# Altium PCB RFMC.PcbDoc (part 4 of 5)
Units mm, origin at the board's own origin, x right, y up, seen from the top; angles counter-clockwise.
Board outline 79.47 x 143.38 mm, 8 copper layers (Top Layer, Layer 1, Layer 2, Layer 3, Layer 4, Layer 5, Layer 6, Bottom Layer), stack 1.644 mm thick; 295 components, 245 nets, 1444 pads, 1952 vias.
Unrouted connection lines stored in the file: 1.
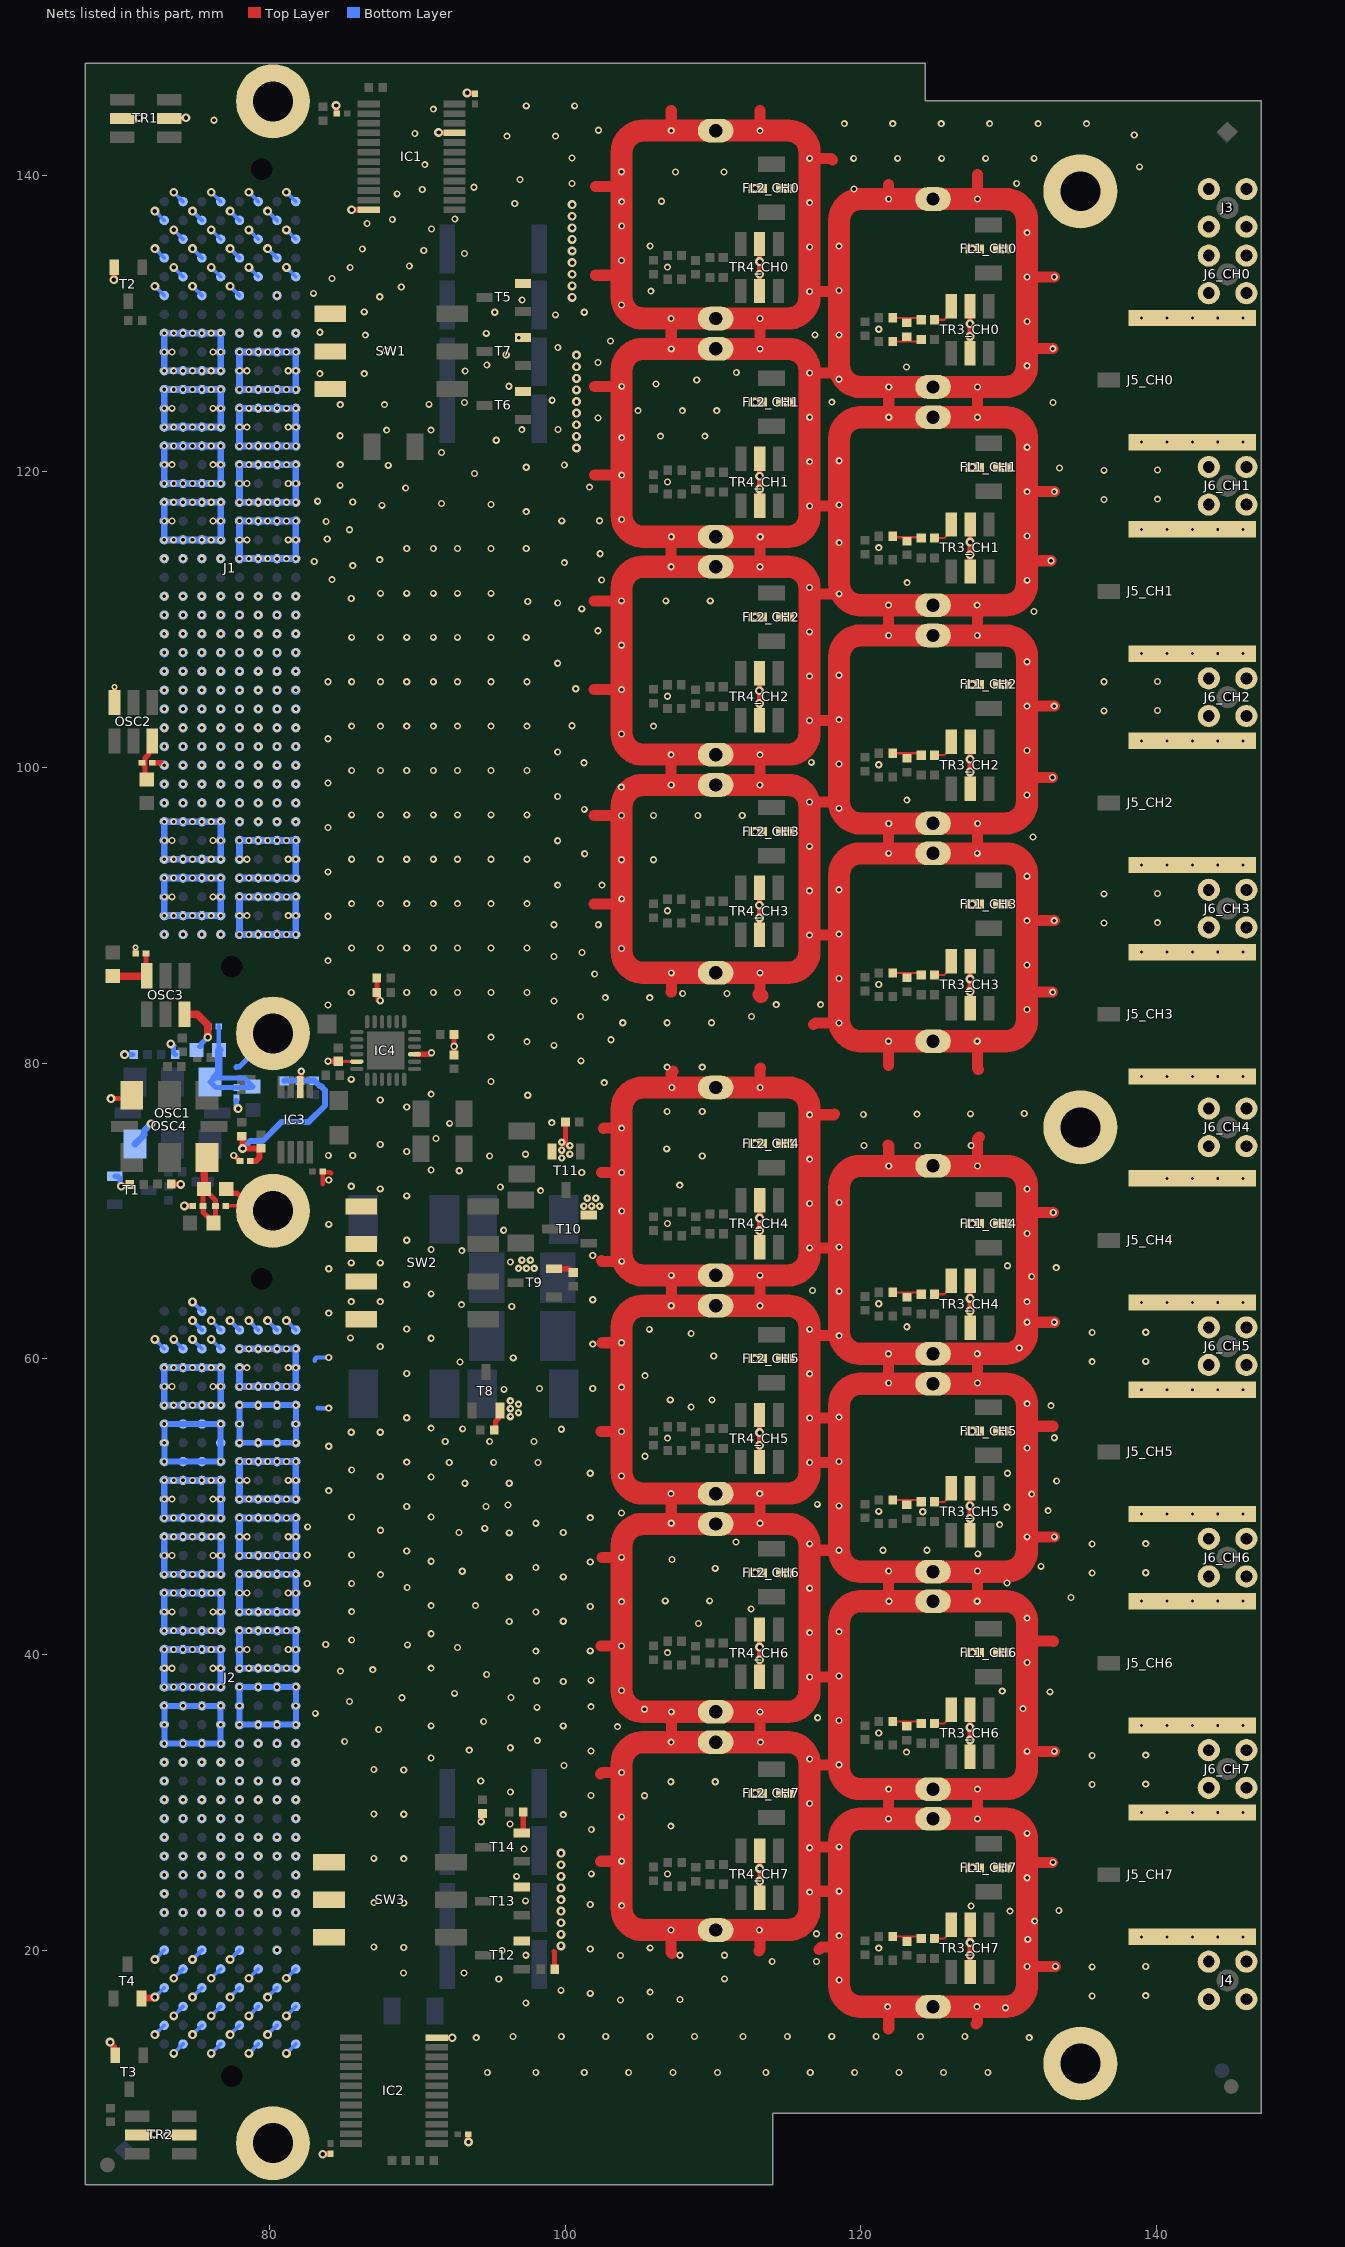
[diagram p10: the nets of this part, all layers, seen from the top]

## Via types
v1: diameter 0.48, hole 0.25, Top Layer to Bottom Layer, tented both sides, 1389 vias
v2: diameter 0.6, hole 0.3, Top Layer to Bottom Layer, tented both sides, 219 vias
v3: diameter 0.5, hole 0.2, Top Layer to Bottom Layer, tented both sides, 162 vias
v4: diameter 0.35, hole 0.15, Top Layer to Bottom Layer, tented both sides, 106 vias
v5: diameter 0.4, hole 0.2, Top Layer to Bottom Layer, tented both sides, 67 vias
v6: diameter 0.5, hole 0.25, Top Layer to Bottom Layer, tented both sides, 9 vias

## Nets (pads, with @x,y where several pads share a name; then routed paths per layer and width w, separated by ;. In a path a pad name is that pad's centre, name@x,y a point inside that pad or via, vN(x,y) a via of type N, cw(c..) or ccw(c..) an arc to the next point about the centre after c; other vN are vias at no path point) (continued)
GND: B1.1 B2.1 B3.1 B4.1 B14.1 B15.1 B16.1 C1.1 C2.1 C3.1 C4.1 C5.1 C6.1 C7.1 C8.1 C10.1 C13.1 C14.1 C15.1 C16.1 C17.1 C20.1 FL1_CH0.2 FL1_CH0.4 FL1_CH1.2 FL1_CH1.4 FL1_CH2.2 FL1_CH2.4 FL1_CH3.2 FL1_CH3.4 FL1_CH4.2 FL1_CH4.4 FL1_CH5.2 FL1_CH5.4 FL1_CH6.2 FL1_CH6.4 FL1_CH7.2 FL1_CH7.4 FL2_CH0.2 FL2_CH0.4 FL2_CH1.2 FL2_CH1.4 FL2_CH2.2 FL2_CH2.4 FL2_CH3.2 FL2_CH3.4 FL2_CH4.2 FL2_CH4.4 FL2_CH5.2 FL2_CH5.4 FL2_CH6.2 FL2_CH6.4 FL2_CH7.2 FL2_CH7.4 IC1.12 IC1.21 IC2.12 IC3.6 IC4.9 IC4.23 J1.a1 J1.a3 J1.a5 J1.a8 J1.a9 J1.a10 J1.a11 J1.a12 J1.a13 J1.a14 J1.a15 J1.a16 J1.a17 J1.a18 J1.a19 J1.a20 J1.a22 J1.a23 J1.a24 J1.a25 J1.a26 J1.a27 J1.a28 J1.a29 J1.a30 J1.a31 J1.a32 J1.a33 J1.a34 J1.a35 J1.a36 J1.a37 J1.a38 J1.a39 J1.a40 J1.b2 J1.b4 J1.b6 J1.b8 J1.b9 J1.b11 J1.b12 J1.b14 J1.b15 J1.b17 J1.b18 J1.b20 J1.b22 J1.b23 J1.b24 J1.b25 J1.b26 J1.b27 J1.b28 J1.b29 J1.b30 J1.b31 J1.b32 J1.b33 J1.b34 J1.b35 J1.b37 J1.b38 J1.b40 J1.c1 J1.c3 J1.c5 J1.c8 J1.c9 J1.c11 J1.c12 J1.c14 J1.c15 J1.c17 J1.c18 J1.c20 J1.c22 J1.c23 J1.c24 J1.c25 J1.c26 J1.c27 J1.c28 J1.c29 J1.c30 J1.c31 J1.c32 J1.c33 J1.c34 J1.c35 J1.c37 J1.c38 J1.c40 J1.d2 J1.d4 J1.d6 J1.d8 J1.d9 J1.d10 J1.d11 J1.d12 J1.d13 J1.d14 J1.d15 J1.d16 J1.d17 J1.d18 J1.d19 J1.d20 J1.d22 J1.d23 J1.d24 J1.d25 J1.d26 J1.d27 J1.d28 J1.d29 J1.d30 J1.d31 J1.d32 J1.d33 J1.d34 J1.d35 J1.d36 J1.d37 J1.d38 J1.d39 J1.d40 J1.e1 J1.e3 J1.e5 J1.e8 J1.e9 J1.e10 J1.e11 J1.e12 J1.e13 J1.e14 J1.e15 J1.e16 J1.e17 J1.e18 J1.e19 J1.e20 J1.e22 J1.e23 J1.e24 J1.e25 J1.e26 J1.e27 J1.e28 J1.e29 J1.e30 J1.e31 J1.e32 J1.e33 J1.e34 J1.e35 J1.e36 J1.e37 J1.e38 J1.e39 J1.e40 J1.f2 J1.f4 J1.f6 J1.f8 J1.f10 J1.f11 J1.f13 J1.f14 J1.f16 J1.f17 J1.f19 J1.f20 J1.f22 J1.f23 J1.f24 J1.f25 J1.f26 J1.f27 J1.f28 J1.f29 J1.f30 J1.f31 J1.f32 J1.f33 J1.f34 J1.f36 J1.f37 J1.f39 J1.f40 J1.g1 J1.g3 J1.g5 J1.g8 J1.g10 J1.g11 J1.g13 J1.g14 J1.g16 J1.g17 J1.g19 J1.g20 J1.g22 J1.g23 J1.g24 J1.g25 J1.g26 J1.g27 J1.g28 J1.g29 J1.g30 J1.g31 J1.g32 J1.g33 J1.g34 J1.g36 J1.g37 J1.g39 J1.g40 J1.h2 J1.h4 J1.h6 J1.h8 J1.h9 J1.h10 J1.h11 J1.h12 J1.h13 J1.h14 J1.h15 J1.h16 J1.h17 J1.h18 J1.h19 J1.h20 J1.h22 J1.h23 J1.h24 J1.h25 J1.h26 J1.h27 J1.h28 J1.h29 J1.h30 J1.h31 J1.h32 J1.h33 J1.h34 J1.h35 J1.h36 J1.h37 J1.h38 J1.h39 J1.h40 J2.a2 J2.a3 J2.a4 J2.a5 J2.a6 J2.a7 J2.a8 J2.a9 J2.a10 J2.a11 J2.a12 J2.a13 J2.a14 J2.a15 J2.a16 J2.a17 J2.a18 J2.a19 J2.a20 J2.a21 J2.a22 J2.a23 J2.a24 J2.a25 J2.a26 J2.a27 J2.a28 J2.a29 J2.a30 J2.a31 J2.a32 J2.a33 J2.a36 J2.a38 J2.a40 J2.b2 J2.b3 J2.b5 J2.b6 J2.b8 J2.b9 J2.b11 J2.b12 J2.b14 J2.b15 J2.b17 J2.b18 J2.b20 J2.b21 J2.b23 J2.b24 J2.b26 J2.b27 J2.b29 J2.b30 J2.b32 J2.b33 J2.b35 J2.b37 J2.b39 J2.c2 J2.c3 J2.c5 J2.c6 J2.c8 J2.c9 J2.c11 J2.c12 J2.c14 J2.c15 J2.c17 J2.c18 J2.c20 J2.c21 J2.c23 J2.c24 J2.c26 J2.c27 J2.c29 J2.c30 J2.c32 J2.c33 J2.c36 J2.c38 J2.c40 J2.d2 J2.d3 J2.d4 J2.d5 J2.d6 J2.d7 J2.d8 J2.d9 J2.d10 J2.d11 J2.d12 J2.d13 J2.d14 J2.d15 J2.d16 J2.d17 J2.d18 J2.d19 J2.d20 J2.d21 J2.d22 J2.d23 J2.d24 J2.d25 J2.d26 J2.d27 J2.d28 J2.d29 J2.d30 J2.d31 J2.d32 J2.d33 J2.d35 J2.d37 J2.d39 J2.e2 J2.e3 J2.e4 J2.e5 J2.e6 J2.e7 J2.e8 J2.e9 J2.e10 J2.e11 J2.e12 J2.e13 J2.e14 J2.e15 J2.e16 J2.e17 J2.e18 J2.e19 J2.e20 J2.e21 J2.e22 J2.e23 J2.e24 J2.e25 J2.e26 J2.e27 J2.e28 J2.e29 J2.e30 J2.e31 J2.e32 J2.e33 J2.e36 J2.e38 J2.e40 J2.f1 J2.f2 J2.f3 J2.f4 J2.f6 J2.f7 J2.f9 J2.f10 J2.f12 J2.f13 J2.f15 J2.f16 J2.f18 J2.f19 J2.f21 J2.f22 J2.f24 J2.f25 J2.f27 J2.f28 J2.f30 J2.f31 J2.f33 J2.f35 J2.f37 J2.f39 J2.g3 J2.g4 J2.g6 J2.g7 J2.g9 J2.g10 J2.g12 J2.g13 J2.g15 J2.g16 J2.g18 J2.g19 J2.g21 J2.g22 J2.g24 J2.g25 J2.g27 J2.g28 J2.g30 J2.g31 J2.g33 J2.g36 J2.g38 J2.g40 J2.h3 J2.h4 J2.h5 J2.h6 J2.h7 J2.h8 J2.h9 J2.h10 J2.h11 J2.h12 J2.h13 J2.h14 J2.h15 J2.h16 J2.h17 J2.h18 J2.h19 J2.h20 J2.h21 J2.h22 J2.h23 J2.h24 J2.h25 J2.h26 J2.h27 J2.h28 J2.h29 J2.h30 J2.h31 J2.h32 J2.h33 J2.h35 J2.h37 J2.h39 J3.2 J4.2 J5_CH0.2 J5_CH1.2 J5_CH2.2 J5_CH3.2 J5_CH4.2 J5_CH5.2 J5_CH6.2 J5_CH7.2 J6_CH0.2 J6_CH1.2 J6_CH2.2 J6_CH3.2 J6_CH4.2 J6_CH5.2 J6_CH6.2 J6_CH7.2 MSBOX1_CH0.1 MSBOX1_CH0.2 MSBOX1_CH1.1 MSBOX1_CH1.2 MSBOX1_CH2.1 MSBOX1_CH2.2 MSBOX1_CH3.1 MSBOX1_CH3.2 MSBOX1_CH4.1 MSBOX1_CH4.2 MSBOX1_CH5.1 MSBOX1_CH5.2 MSBOX1_CH6.1 MSBOX1_CH6.2 MSBOX1_CH7.1 MSBOX1_CH7.2 MSBOX2_CH0.1 MSBOX2_CH0.2 MSBOX2_CH1.1 MSBOX2_CH1.2 MSBOX2_CH2.1 MSBOX2_CH2.2 MSBOX2_CH3.1 MSBOX2_CH3.2 MSBOX2_CH4.1 MSBOX2_CH4.2 MSBOX2_CH5.1 MSBOX2_CH5.2 MSBOX2_CH6.1 MSBOX2_CH6.2 MSBOX2_CH7.1 MSBOX2_CH7.2 OSC1.3 OSC2.3 OSC3.3 OSC4.3 R5.1 R6.1 R14.1 R15.1 R36.2 R51.2 R52.2 R53.2 R54.2 R55.2 R56.2 R57.2 R58.2 R59.2 SW1.4 SW1.5 SW1.6 SW2.5 SW2.6 SW2.7 SW2.8 SW3.4 SW3.5 SW3.6 T1.2 T2.2 T3.2 T4.2 T5.2 T6.2 T7.2 T8.2 T9.2 T10.2 T11.2 T12.2 T13.2 T14.2 TR1.2 TR1.5 TR2.2 TR2.5 TR3_CH0.2 TR3_CH0.5 TR3_CH1.2 TR3_CH1.5 TR3_CH2.2 TR3_CH2.5 TR3_CH3.2 TR3_CH3.5 TR3_CH4.2 TR3_CH4.5 TR3_CH5.2 TR3_CH5.5 TR3_CH6.2 TR3_CH6.5 TR3_CH7.2 TR3_CH7.5 TR4_CH0.2 TR4_CH0.5 TR4_CH1.2 TR4_CH1.5 TR4_CH2.2 TR4_CH2.5 TR4_CH3.2 TR4_CH3.5 TR4_CH4.2 TR4_CH4.5 TR4_CH5.2 TR4_CH5.5 TR4_CH6.2 TR4_CH6.5 TR4_CH7.2 TR4_CH7.5 | length 677.2
  Top Layer w0.2: C8.1@84.675,80.125 84.7,80.1 IC4.23@85.925,80.1
  Top Layer w0.25: C15.1@77.075,70.35 B4.1@78.672,70.35
  Top Layer w0.254: v2(84.525,144.725) v2@84.55,144.7 ; C6.1@84.55,144.2 C6.1@84.575,144.175
  Top Layer w0.3: 83.625,71.825 C4.1@83.625,72.625 ; C4.1@83.625,72.675 83.675,72.625 84.129,72.625 84.186,72.568
  Top Layer w0.35: v2(69.31,77.603) 69.86,77.603 ; OSC2.3@69.55,105 v5(69.55,105.425) ; v2(70,71.675) 70.048,71.723 70.503,71.723 R14.1@70.58,71.8 ; TR1.5@70.675,143.875 v2@71.175,143.875 ; C13.1@70.975,87.4 v5(70.975,87.825) ; TR2.2@71.7,7.575 v2@72.2,7.575 ; C10.1@72.1,100.3 72.703,100.3 72.877,100.126 v1(72.912,100.126) ; v2@73.15,7.525 TR2.5@73.65,7.525 ; R15.1@73.395,71.825 73.407,71.813 74.013,71.813 v2(74.025,71.8) ; TR1.2@73.855,143.875 v2@74.355,143.875 ; v2(74.275,70.35) C20.1@74.825,70.35 ; C14.1@77.1,71.5 77.4,71.2 77.822,71.2 B4.1@78.672,70.35 ; v6(77.6,73.75) 77.629,73.721 77.679,73.721 77.975,73.425 77.975,73.4 78,73.375 C3.1@78.025,73.375 ; IC3.6@82.1,78.375 82.146,78.421 82.146,79.426 v6(82.175,79.455) ; v2@83.65,6.275 C17.1@84.15,6.275 ; v6(83.975,80.125) C8.1@84.675,80.125 ; C6.1@84.55,144.2 v2@84.55,144.7 ; v2(85.575,137.675) IC1.12@86.725,137.675 ; R52.2@87.28,85.75 87.28,85.77 87.285,85.765 87.285,84.755 87.346,84.694 87.346,84.254 v6@87.375,84.225 ; IC4.9@89.825,80.6 90.834,80.6 90.934,80.7 v6(90.975,80.7) ; v2@91.475,142.875 IC1.21@92.025,142.875 ; IC2.12@91.85,14.1 v2@92.35,14.1 ; R51.2@92.495,81.925 92.495,81.13 v6(92.5,81.125) R55.2@92.5,80.545 ; v2@93.4,145.55 C7.1@93.95,145.55 ; v2@93.45,7.1 C16.1@93.45,7.6 ; v6(94.325,28.725) 94.331,28.731 94.331,29.186 R58.2@94.425,29.28 ; R53.2@95.22,55.2 95.295,55.275 95.295,55.768 95.502,55.975 ; T14.2@97.075,27.95 97.17,28.045 R59.2@97.17,29.375 ; 99.25,19.95 99.295,19.905 R57.2@99.295,18.75 ; T9.2@99.25,66.1 100.275,66.1 100.53,65.845 R54.2@100.55,65.845 ; v3@99.975,74.525 100.03,74.58 R56.2@100.03,76.025 ; TR4_CH3.2@113.145,88.68 TR4_CH3.5@113.145,91.86 ; TR4_CH2.2@113.145,103.18 TR4_CH2.5@113.145,106.36 ; TR4_CH6.2@113.15,38.535 TR4_CH6.5@113.15,41.715 ; TR4_CH5.2@113.15,53.035 TR4_CH5.5@113.15,56.215 ; TR4_CH0.2@113.15,132.185 TR4_CH0.5@113.15,135.365 ; TR4_CH4.2@113.155,67.54 TR4_CH4.5@113.155,70.72 ; TR4_CH1.2@113.155,117.68 TR4_CH1.5@113.155,120.86 ; TR4_CH7.2@113.175,23.78 TR4_CH7.5@113.175,26.96 ; TR3_CH6.2@127.375,33.11 TR3_CH6.5@127.375,36.29 ; TR3_CH5.2@127.375,48.085 TR3_CH5.5@127.375,51.265 ; TR3_CH0.2@127.375,127.985 TR3_CH0.5@127.375,131.165 ; TR3_CH7.2@127.38,18.565 TR3_CH7.5@127.38,21.745 ; TR3_CH4.2@127.38,62.115 TR3_CH4.5@127.38,65.295 ; TR3_CH3.2@127.38,83.7 TR3_CH3.5@127.38,86.88 ; TR3_CH2.2@127.38,98.55 TR3_CH2.5@127.38,101.73 ; TR3_CH1.2@127.38,113.225 TR3_CH1.5@127.38,116.405 ; B4.1@78.672,70.35 79.93,70.35 80.263,70.017 79.004,70.017 B4.1@78.672,70.35
  Top Layer w0.4: B3.1@80.256,81.637 B3.1@80.256,82.001
  Top Layer w0.45: v2(69.25,13.825) 69.25,13.784 69.5,13.534 69.5,13.05 T3.2@69.6,12.95 ; T4.2@71.375,16.775 71.411,16.811 72.177,16.811 72.237,16.871 v2(72.277,16.871)
  Top Layer w0.5: v2(69.5,132.95) 69.513,132.963 69.513,133.787 T2.2@69.526,133.8 ; OSC3.3@74.27,83.3 75.15,83.3 75.85,82.6 v2(75.85,81.75)
  Top Layer w0.75: 101.975,90.74 103.815,90.74 ; 101.975,96.74 v1(103.815,96.74) ; 101.975,105.24 v1(103.815,105.24) ; 101.975,111.24 v1(103.815,111.24) ; 101.985,119.74 v1(103.825,119.74) ; 101.985,125.74 v1(103.825,125.74) ; 102.06,133.25 103.9,133.25 ; 102.06,139.25 103.9,139.25 ; 102.4,26.025 102.425,26.05 v1(103.825,26.05) ; 102.4,31.95 102.5,32.05 v1(103.825,32.05) ; 102.42,40.595 v1(103.82,40.595) ; 102.42,55.095 v1(103.82,55.095) ; 102.45,66.65 102.5,66.6 v1(103.825,66.6) ; 102.45,72.6 v1(103.825,72.6) ; 102.495,46.595 v1(103.82,46.595) ; 102.495,61.095 v1(103.82,61.095) ; 102.6,75.575 102.625,75.6 v1(103.825,75.6) ; v1(107.159,21.4) 107.159,19.891 107.225,19.825 ; 107.158,84.798 107.184,84.824 v1(107.184,86.1) ; v1(107.163,50.9) 107.175,50.888 v1(107.175,48.9) ; 107.17,99.045 v1@107.17,100.885 ; v1(107.17,113.545) v1@107.17,115.385 ; v1(107.174,34.1) 107.184,34.11 v1(107.184,36.15) ; v1(107.175,143.025) 107.175,144.39 ; v1(107.181,63.6) 107.183,63.602 v1(107.183,65.65) ; v1@107.18,128.045 107.18,129.885 ; v1(107.217,78.35) 107.18,78.387 107.18,79.33 107.3,79.45 ; MSBOX2_CH0.2@110.272,34.263 111.339,34.263 111.431,34.355 112.961,34.355 v1(113.216,34.1) ; 113.1,20 113.18,20.08 113.18,21.353 v1(113.133,21.4) ; v1(113.163,50.9) 113.175,50.888 v1(113.175,48.9) ; 113.17,99.045 v1@113.17,100.885 ; v1(113.17,113.545) v1@113.17,115.385 ; 113.172,84.628 v1(113.172,86.1) ; v1@113.175,34.141 v1(113.175,36.15) ; v1(113.174,65.65) 113.175,63.606 v1(113.181,63.6) ; v1(113.175,143.025) 113.175,144.39 ; v1@113.18,128.045 113.18,129.885 ; v1(113.184,78.35) 113.18,78.354 113.18,79.63 113.2,79.65 ; v1(116.525,88.65) 118.45,88.65 v1(118.515,88.715) ; v1(116.525,97.65) 118.08,97.65 v1(118.515,97.215) ; v1(116.525,103.15) 118.45,103.15 v1(118.515,103.215) ; v1(116.525,112.15) 116.96,111.715 v1(118.525,111.715) ; v1@116.525,134.95 116.53,134.955 v1(116.53,135.155) ; v1(116.53,38.505) 118.455,38.505 v1(118.52,38.57) ; v1(116.53,47.505) 116.965,47.07 v1(118.52,47.07) ; v1(116.53,53.005) 118.455,53.005 v1(118.52,53.07) ; v1(116.53,56.005) v1@118.455,56.005 ; v1(116.53,132.155) 118.455,132.155 v1(118.52,132.22) ; v1(116.53,141.155) 117.97,141.155 118.075,141.05 ; v1(116.535,26.96) 116.6,27.025 v1(118.525,27.025) ; v1(116.535,32.96) 116.925,32.57 v1(118.52,32.57) ; v1(116.535,67.51) 118.46,67.51 v1(118.525,67.575) ; v1(116.535,76.51) 118.16,76.51 118.2,76.55 ; v1(116.535,117.65) 118.46,117.65 v1(118.525,117.715) ; v1(116.535,126.65) 118.09,126.65 v1(118.52,126.22) ; v1@116.6,24.025 v1(118.525,24.025) ; 116.8,82.6 116.915,82.715 v1(118.515,82.715) ; 117.025,61.759 117.209,61.575 v1(118.525,61.575) ; 117.175,20.075 117.344,20.244 118.405,20.244 118.525,20.364 v1(118.525,21.025) ; v1(121.806,16.22) 121.88,16.146 121.88,14.755 121.85,14.725 ; 121.825,74.45 121.88,74.395 v1@121.88,72.88 ; 121.85,79.825 121.87,79.845 v1@121.87,81.32 ; v1@121.87,94.02 121.87,95.86 ; 121.87,108.52 121.87,110.36 ; 121.875,31.175 v1(121.875,30.925) 121.875,29.335 121.88,29.33 ; 121.875,43.875 v1@121.875,45.715 ; v1(121.875,58.375) v1@121.875,60.215 ; v1(121.875,138.4) 121.875,139.365 ; v1(121.88,123.65) v1(121.879,125.7) ; 127.775,15.05 127.88,15.155 127.88,16.189 v1(127.849,16.22) ; v1@127.87,81.32 127.87,79.63 127.925,79.575 ; v1@127.87,94.02 127.87,95.86 ; 127.87,108.52 127.87,110.36 ; 127.875,31.175 v1(127.875,30.925) 127.875,29.335 127.88,29.33 ; 127.875,43.875 v1@127.875,45.715 ; v1(127.875,58.375) v1@127.875,60.215 ; v1(127.875,138.4) 127.875,140.05 ; v1@127.88,72.88 127.88,74.855 128.025,75 ; v1(127.88,123.65) v1(127.878,125.7) ; v1(131.225,83.625) 131.225,84.353 131.664,84.792 v1(132.954,84.792) ; v1(131.225,89.625) v1(133.065,89.625) ; v1(131.225,98.125) 131.225,98.862 131.664,99.301 v1(132.945,99.301) ; v1(131.225,104.125) v1(133.065,104.125) ; v1(131.23,33.48) v1(133.07,33.48) ; v1(131.23,39.48) 131.23,40.493 131.669,40.932 132.993,40.932 133.025,40.9 ; v1(131.23,47.98) v1(133.07,47.98) ; v1(131.23,53.98) 131.23,54.993 131.687,55.45 132.975,55.45 ; v1(131.23,127.13) 131.23,127.848 131.669,128.287 v1(132.969,128.287) ; v1(131.23,133.13) v1(133.07,133.13) ; v1(131.235,18.935) 133.135,18.935 v1(133.15,18.95) ; v1(131.235,24.935) 131.235,25.536 131.674,25.975 v1@132.93,25.975 ; v1(131.235,62.485) v1(133.075,62.485) ; v1(131.235,68.485) 131.235,69.461 131.674,69.9 v1(133,69.9) ; v1(131.235,112.625) 131.235,113.511 131.674,113.95 v1(132.845,113.95) ; v1(131.235,118.625) v1(133.075,118.625)
  Top Layer w1: 113.172,84.628 113.25,84.55
  Top Layer w1.5: 105.275,21.4 v1(107.159,21.4) ; 105.275,34.1 v1(107.174,34.1) ; v1@105.275,36.15 v1(107.184,36.15) ; 105.275,50.9 v1(107.163,50.9) ; 105.275,63.6 v1(107.181,63.6) ; 105.275,65.65 v1(107.183,65.65) ; v1(113.175,36.15) 115.075,36.15 ; v1(113.181,63.6) 115.075,63.6 ; v1(113.184,78.35) 115.075,78.35 ; v1(113.216,34.1) 115.075,34.1 ; 119.975,16.22 v1(121.806,16.22)
  Bottom Layer w0.254: v2(72.277,14.331) J2.h39@72.912,14.966 ; v2(72.277,16.871) J2.h37@72.912,17.506 ; v2(72.277,19.411) J2.h35@72.912,20.046 ; v2(72.277,61.321) J2.h3@72.912,60.686 ; v2(72.277,132.511) J1.h6@72.912,131.876 ; v2(72.277,135.051) J1.h4@72.912,134.416 ; v2(72.277,137.591) J1.h2@72.912,136.956 ; v2(73.547,13.061) J2.g40@74.182,13.696 ; v2(73.547,15.601) J2.g38@74.182,16.236 ; v2(73.547,18.141) J2.g36@74.182,18.776 ; v2(73.547,61.321) J2.g3@74.182,60.686 ; v2(73.547,133.781) J1.g5@74.182,133.146 ; v2(73.547,136.321) J1.g3@74.182,135.686 ; v2(73.547,138.861) J1.g1@74.182,138.226 ; v2(74.817,14.331) J2.f39@75.452,14.966 ; v2(74.817,16.871) J2.f37@75.452,17.506 ; v2(74.817,19.411) J2.f35@75.452,20.046 ; v2(74.817,61.321) J2.f3@75.452,60.686 ; v2(74.817,62.591) J2.f2@75.452,61.956 ; v2(74.817,63.861) J2.f1@75.452,63.226 ; v2(74.817,132.511) J1.f6@75.452,131.876 ; v2(74.817,135.051) J1.f4@75.452,134.416 ; v2(74.817,137.591) J1.f2@75.452,136.956 ; v2(76.087,13.061) J2.e40@76.722,13.696 ; v2(76.087,15.601) J2.e38@76.722,16.236 ; v2(76.087,18.141) J2.e36@76.722,18.776 ; v2(76.087,61.321) J2.e3@76.722,60.686 ; v2(76.087,62.591) J2.e2@76.722,61.956 ; v2(76.087,133.781) J1.e5@76.722,133.146 ; v2(76.087,136.321) J1.e3@76.722,135.686 ; v2(76.087,138.861) J1.e1@76.722,138.226 ; v2(77.357,14.331) J2.d39@77.992,14.966 ; v2(77.357,16.871) J2.d37@77.992,17.506 ; v2(77.357,19.411) J2.d35@77.992,20.046 ; v2(77.357,62.591) J2.d2@77.992,61.956 ; v2(77.357,132.511) J1.d6@77.992,131.876 ; v2(77.357,135.051) J1.d4@77.992,134.416 ; v2(77.357,137.591) J1.d2@77.992,136.956 ; v2(78.627,13.061) J2.c40@79.262,13.696 ; v2(78.627,15.601) J2.c38@79.262,16.236 ; v2(78.627,18.141) J2.c36@79.262,18.776 ; v2(78.627,62.591) J2.c2@79.262,61.956 ; v2(78.627,133.781) J1.c5@79.262,133.146 ; v2(78.627,136.321) J1.c3@79.262,135.686 ; v2(78.627,138.861) J1.c1@79.262,138.226 ; v2(79.897,14.331) J2.b39@80.532,14.966 ; v2(79.897,16.871) J2.b37@80.532,17.506 ; v2(79.897,62.591) J2.b2@80.532,61.956 ; v2(79.897,135.051) J1.b4@80.532,134.416 ; v2(79.897,137.591) J1.b2@80.532,136.956 ; v2(81.167,13.061) J2.a40@81.802,13.696 ; v2(81.167,15.601) J2.a38@81.802,16.236 ; v2(81.167,18.141) J2.a36@81.802,18.776 ; v2(81.167,62.591) J2.a2@81.802,61.956 ; v2(81.167,133.781) J1.a5@81.802,133.146 ; v2(81.167,136.321) J1.a3@81.802,135.686 ; v2(81.167,138.861) J1.a1@81.802,138.226
  Bottom Layer w0.3: 83.075,59.875 cw(c83.3,59.875) 83.3,60.1 v1(84.025,60.1) ; 83.275,56.7 ccw(c83.3,56.7) 83.3,56.675 v1(84.025,56.675)
  Bottom Layer w0.35: T1.2@69.575,72.35 69.775,72.35 69.925,72.2 69.925,71.818 70,71.743 v2(70,71.675) ; v2(70.225,80.575) R5.1@70.775,80.575 ; v2@73.547,81.171 73.418,81.3 v2(73.35,81.3) 73.35,81.232 73.535,81.047 73.535,80.701 R6.1@73.65,80.586 ; C1.1@75.3,81.125 75.35,81.125 75.4,81.175 75.4,81.3 v2(75.85,81.75) ; C2.1@77.775,77.475 77.775,77.118 77.9,76.993 v2(77.9,76.925) ; 77.775,79.7 77.775,79.725 77.8,79.75 78.004,79.75 B3.1@80.256,82.001
  Bottom Layer w0.4: v1(72.912,34.016) v1(74.182,34.016) v1(75.452,34.016) v1(76.722,34.016) v1(76.722,35.286) v1(76.722,36.556) v1(75.452,36.556) v1(74.182,36.556) v1(72.912,36.556) J2.h24@72.912,34.143 ; v1(77.992,35.286) v1(79.262,35.286) v1(80.532,35.286) v1(81.802,35.286) v1(81.802,36.556) v1(81.802,37.826) v1(80.532,37.826) v1(79.262,37.826) v1(77.992,37.826) J2.d23@77.992,35.413 ; v1(77.992,54.336) v1(79.262,54.336) v1(80.532,54.336) v1(81.802,54.336) v1(81.802,55.606) v1(81.802,56.876) v1(80.532,56.876) v1(79.262,56.876) v1(77.992,56.876) J2.d8@77.992,54.463 ; J1.a27@81.802,105.079 v1(81.802,105.206) ; v1(72.912,53.066) 72.912,53.193 v1(72.912,55.606) J2.g7@74.182,55.606 J2.f7@75.452,55.606 v1(76.722,55.606) J2.e8@76.722,54.336 v1(76.722,53.066) J2.f9@75.452,53.066 J2.g9@74.182,53.066 v1(72.912,53.066)
  Bottom Layer w0.45: OSC1.3@70.935,74.525 71.56,75.15 71.56,75.435 v2(72.025,75.9)
  Bottom Layer w0.46: v1(77.992,59.416) v1(77.992,58.146) v1(78.627,58.146) v1(79.262,58.146) v1(79.897,58.146) v1(80.532,58.146) v1(81.167,58.146) v1(81.802,58.146) v1(81.802,59.416) v1(81.802,60.686) v1(81.167,60.686) v1(80.532,60.686) v1(79.897,60.686) v1(79.262,60.686) v1(78.627,60.686) v1(77.992,60.686) ; v1(77.992,92.506) v1(78.627,92.506) v1(79.262,92.506) v1(79.897,92.506) v1(80.532,92.506) v1(81.167,92.506) v1(81.802,92.506) v1(81.802,93.776) v1(81.802,95.046) v1(81.167,95.046) v1(80.532,95.046) v1(79.897,95.046) v1(79.262,95.046) v1(78.627,95.046) v1(77.992,95.046) v1(77.992,93.776) ; v1(72.912,37.826) v1(72.912,39.096) v1(72.912,40.366) v1(73.547,40.366) v1(74.182,40.366) v1(74.817,40.366) v1(75.452,40.366) v1(76.087,40.366) v1(76.722,40.366) v1(76.722,39.096) v1(76.722,37.826) v1(76.087,37.826) v1(75.452,37.826) v1(74.817,37.826) v1(74.182,37.826) v1(73.547,37.826) v1(72.912,37.826) ; v1(72.912,41.636) v1(72.912,42.906) v1(72.912,44.176) v1(73.547,44.176) v1(74.182,44.176) v1(74.817,44.176) v1(75.452,44.176) v1(76.087,44.176) v1(76.722,44.176) v1(76.722,42.906) v1(76.722,41.636) v1(76.087,41.636) v1(75.452,41.636) v1(74.817,41.636) v1(74.182,41.636) v1(73.547,41.636) v1(72.912,41.636) ; v1(72.912,45.446) v1(72.912,46.716) v1(72.912,47.986) v1(73.547,47.986) v1(74.182,47.986) v1(74.817,47.986) v1(75.452,47.986) v1(76.087,47.986) v1(76.722,47.986) v1(76.722,46.716) v1(76.722,45.446) v1(76.087,45.446) v1(75.452,45.446) v1(74.817,45.446) v1(74.182,45.446) v1(73.547,45.446) v1(72.912,45.446) ; v1(72.912,49.256) v1(72.912,50.526) v1(72.912,51.796) v1(73.547,51.796) v1(74.182,51.796) v1(74.817,51.796) v1(75.452,51.796) v1(76.087,51.796) v1(76.722,51.796) v1(76.722,50.526) v1(76.722,49.256) v1(76.087,49.256) v1(75.452,49.256) v1(74.817,49.256) v1(74.182,49.256) v1(73.547,49.256) v1(72.912,49.256) ; v1(72.912,56.876) v1(72.912,58.146) v1(72.912,59.416) v1(73.547,59.416) v1(74.182,59.416) v1(74.817,59.416) v1(75.452,59.416) v1(76.087,59.416) v1(76.722,59.416) v1(76.722,58.146) v1(76.722,56.876) v1(76.087,56.876) v1(75.452,56.876) v1(74.817,56.876) v1(74.182,56.876) v1(73.547,56.876) v1(72.912,56.876) ; v1(72.912,89.966) v1(73.547,89.966) v1(74.182,89.966) v1(74.817,89.966) v1(75.452,89.966) v1(76.087,89.966) v1(76.722,89.966) v1(76.722,91.236) v1(76.722,92.506) v1(76.087,92.506) v1(75.452,92.506) v1(74.817,92.506) v1(74.182,92.506) v1(73.547,92.506) v1(72.912,92.506) v1(72.912,91.236) v1(72.912,89.966) ; v1(72.912,93.776) v1(73.547,93.776) v1(74.182,93.776) v1(74.817,93.776) v1(75.452,93.776) v1(76.087,93.776) v1(76.722,93.776) v1(76.722,95.046) v1(76.722,96.316) v1(76.087,96.316) v1(75.452,96.316) v1(74.817,96.316) v1(74.182,96.316) v1(73.547,96.316) v1(72.912,96.316) v1(72.912,95.046) v1(72.912,93.776) ; v1(72.912,115.366) v1(73.547,115.366) v1(74.182,115.366) v1(74.817,115.366) v1(75.452,115.366) v1(76.087,115.366) v1(76.722,115.366) v1(76.722,116.636) v1(76.722,117.906) v1(76.087,117.906) v1(75.452,117.906) v1(74.817,117.906) v1(74.182,117.906) v1(73.547,117.906) v1(72.912,117.906) v1(72.912,116.636) v1(72.912,115.366) ; v1(72.912,119.176) v1(73.547,119.176) v1(74.182,119.176) v1(74.817,119.176) v1(75.452,119.176) v1(76.087,119.176) v1(76.722,119.176) v1(76.722,120.446) v1(76.722,121.716) v1(76.087,121.716) v1(75.452,121.716) v1(74.817,121.716) v1(74.182,121.716) v1(73.547,121.716) v1(72.912,121.716) v1(72.912,120.446) v1(72.912,119.176) ; v1(72.912,122.986) v1(73.547,122.986) v1(74.182,122.986) v1(74.817,122.986) v1(75.452,122.986) v1(76.087,122.986) v1(76.722,122.986) v1(76.722,124.256) v1(76.722,125.526) v1(76.087,125.526) v1(75.452,125.526) v1(74.817,125.526) v1(74.182,125.526) v1(73.547,125.526) v1(72.912,125.526) v1(72.912,124.256) v1(72.912,122.986) ; v1(72.912,126.796) v1(73.547,126.796) v1(74.182,126.796) v1(74.817,126.796) v1(75.452,126.796) v1(76.087,126.796) v1(76.722,126.796) v1(76.722,128.066) v1(76.722,129.336) v1(76.087,129.336) v1(75.452,129.336) v1(74.817,129.336) v1(74.182,129.336) v1(73.547,129.336) v1(72.912,129.336) v1(72.912,128.066) v1(72.912,126.796) ; v1(77.992,39.096) v1(77.992,40.366) v1(77.992,41.636) v1(78.627,41.636) v1(79.262,41.636) v1(79.897,41.636) v1(80.532,41.636) v1(81.167,41.636) v1(81.802,41.636) v1(81.802,40.366) v1(81.802,39.096) v1(81.167,39.096) v1(80.532,39.096) v1(79.897,39.096) v1(79.262,39.096) v1(78.627,39.096) v1(77.992,39.096) ; v1(77.992,42.906) v1(77.992,44.176) v1(77.992,45.446) v1(78.627,45.446) v1(79.262,45.446) v1(79.897,45.446) v1(80.532,45.446) v1(81.167,45.446) v1(81.802,45.446) v1(81.802,44.176) v1(81.802,42.906) v1(81.167,42.906) v1(80.532,42.906) v1(79.897,42.906) v1(79.262,42.906) v1(78.627,42.906) v1(77.992,42.906) ; v1(77.992,46.716) v1(77.992,47.986) v1(77.992,49.256) v1(78.627,49.256) v1(79.262,49.256) v1(79.897,49.256) v1(80.532,49.256) v1(81.167,49.256) v1(81.802,49.256) v1(81.802,47.986) v1(81.802,46.716) v1(81.167,46.716) v1(80.532,46.716) v1(79.897,46.716) v1(79.262,46.716) v1(78.627,46.716) v1(77.992,46.716) ; v1(77.992,50.526) v1(77.992,51.796) v1(77.992,53.066) v1(78.627,53.066) v1(79.262,53.066) v1(79.897,53.066) v1(80.532,53.066) v1(81.167,53.066) v1(81.802,53.066) v1(81.802,51.796) v1(81.802,50.526) v1(81.167,50.526) v1(80.532,50.526) v1(79.897,50.526) v1(79.262,50.526) v1(78.627,50.526) v1(77.992,50.526) ; v1(77.992,88.696) v1(77.992,89.966) v1(77.992,91.236) v1(78.627,91.236) v1(79.262,91.236) v1(79.897,91.236) v1(80.532,91.236) v1(81.167,91.236) v1(81.802,91.236) v1(81.802,89.966) v1(81.802,88.696) v1(81.167,88.696) v1(80.532,88.696) v1(79.897,88.696) v1(79.262,88.696) v1(78.627,88.696) v1(77.992,88.696) ; v1(77.992,114.096) v1(78.627,114.096) v1(79.262,114.096) v1(79.897,114.096) v1(80.532,114.096) v1(81.167,114.096) v1(81.802,114.096) v1(81.802,115.366) v1(81.802,116.636) v1(81.167,116.636) v1(80.532,116.636) v1(79.897,116.636) v1(79.262,116.636) v1(78.627,116.636) v1(77.992,116.636) v1(77.992,115.366) v1(77.992,114.096) ; v1(77.992,117.906) v1(78.627,117.906) v1(79.262,117.906) v1(79.897,117.906) v1(80.532,117.906) v1(81.167,117.906) v1(81.802,117.906) v1(81.802,119.176) v1(81.802,120.446) v1(81.167,120.446) v1(80.532,120.446) v1(79.897,120.446) v1(79.262,120.446) v1(78.627,120.446) v1(77.992,120.446) v1(77.992,119.176) v1(77.992,117.906) ; v1(77.992,121.716) v1(78.627,121.716) v1(79.262,121.716) v1(79.897,121.716) v1(80.532,121.716) v1(81.167,121.716) v1(81.802,121.716) v1(81.802,122.986) v1(81.802,124.256) v1(81.167,124.256) v1(80.532,124.256) v1(79.897,124.256) v1(79.262,124.256) v1(78.627,124.256) v1(77.992,124.256) v1(77.992,122.986) v1(77.992,121.716) ; v1(77.992,125.526) v1(78.627,125.526) v1(79.262,125.526) v1(79.897,125.526) v1(80.532,125.526) v1(81.167,125.526) v1(81.802,125.526) v1(81.802,126.796) v1(81.802,128.066) v1(81.167,128.066) v1(80.532,128.066) v1(79.897,128.066) v1(79.262,128.066) v1(78.627,128.066) v1(77.992,128.066) v1(77.992,126.796) v1(77.992,125.526)